# Altium PCB Version_2.PcbDoc (continued)
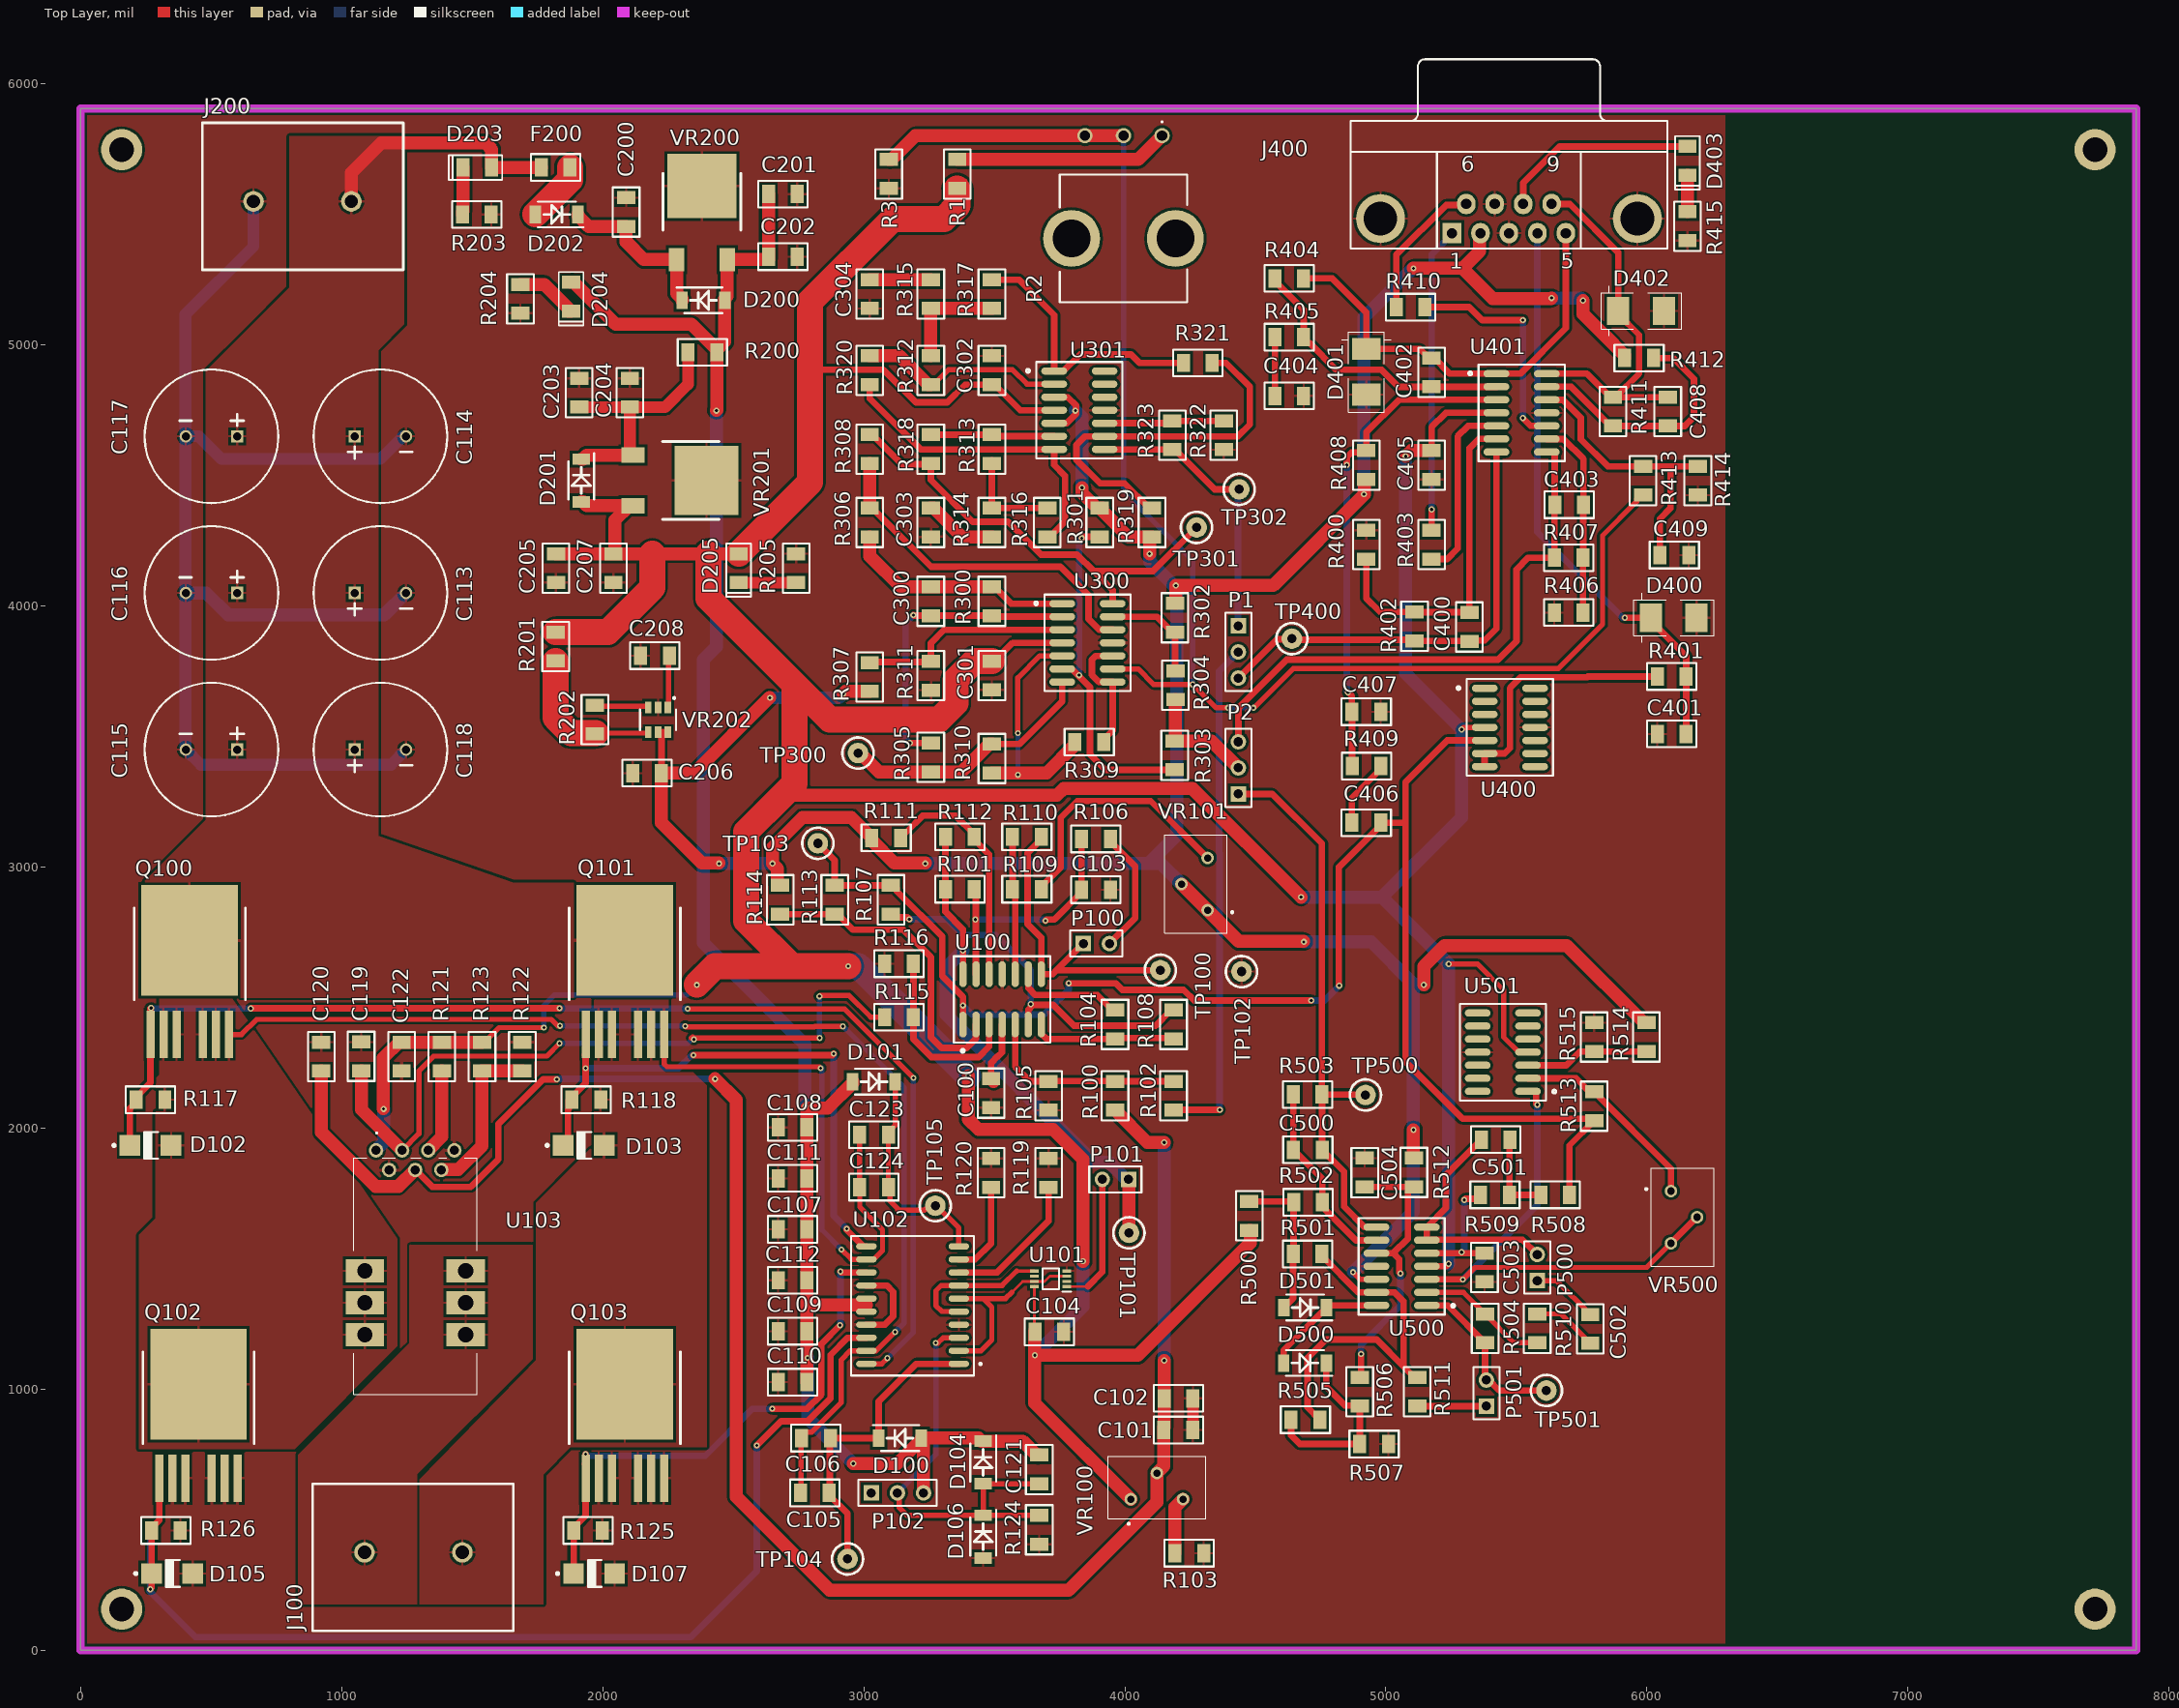
[diagram p0: Top Layer view]
## Footprints (in the part's own frame and the unit in brackets; to place one, negate y for a bottom-side part, rotate by r counter-clockwise, add the part's x,y. Pads: shape width x height; smd on the part's side, far side on the other; paste and mask are expansions set on the pad) (continued)
SMB [mil] "Para diodos como  4007, supresores, etc"
  rect 85x108 smd: 1(0,0) 2(-175,0)
  silkscreen extent -240,-95 68,95, body extent -194,-55 14,55, height 92
SMKDS5-2-9.5 [mm] "Phoenix Contact; Terminal block; 2way; 32A max; 9.52mm pitch; 135°"
  round 2 hole 1.3: 1(-4.76,0) 2(4.76,0)
  silkscreen extent -9.8,-7.65 9.73,6.65, body extent -10.08,-7.5 9.53,11, height 21.5
SODFL4725X105N [mm]
  rect 1.12x1.72 smd: 1(-2.075,0) 2(2.075,0)
  silkscreen extent -2.64,-1.25 1.85,1.25, body extent -2.35,-1.25 2.35,1.25, height 1.05
SOIC14 [mm]
  oval 2.5x0.7 smd: 1(-2.45,4.445) 2(-2.45,3.175) 3(-2.45,1.905) 4(-2.45,0.635) 5(-2.45,-0.635) 6(-2.45,-1.905) 7(-2.45,-3.175) 8(2.45,-3.175) 9(2.45,-1.905) 10(2.45,-0.635) 11(2.45,0.635) 12(2.45,1.905) 13(2.45,3.175) 14(2.45,4.445)
  silkscreen extent -5.16,-4.06 4.19,5.33, body extent -3.12,-3.68 3.07,4.95, height 1.7
SOIC20 [mm]
  oval 2x0.6 smd: 1(-4.5,5.715) 2(-4.5,4.445) 3(-4.5,3.175) 4(-4.5,1.905) 5(-4.5,0.635) 6(-4.5,-0.635) 7(-4.5,-1.905) 8(-4.5,-3.175) 9(-4.5,-4.445) 10(-4.5,-5.715) 11(4.5,-5.715) 12(4.5,-4.445) 13(4.5,-3.175) 14(4.5,-1.905) 15(4.5,-0.635) 16(4.5,0.635) 17(4.5,1.905) 18(4.5,3.175) 19(4.5,4.445) 20(4.5,5.715)
  silkscreen extent -6.68,-6.73 5.97,6.86, body extent -5.31,-6.5 5.31,6.5, height 2.66
SOP50P310X90-8N [mm]
  rect 0.85x0.3 smd: 1(-1.575,0.75) 2(-1.575,0.25) 3(-1.575,-0.25) 4(-1.575,-0.75) 5(1.575,-0.75) 6(1.575,-0.25) 7(1.575,0.25) 8(1.575,0.75)
  silkscreen extent -2,-1 0.8,1.25, body extent -1.55,-1 1.55,1, height 0.77
SOT23-6 [mm]
  rect 1.1x0.65 smd: 1(-1.2,0.95) 2(-1.2,0) 3(-1.2,-0.95) 4(1.2,-0.95) 5(1.2,0) 6(1.2,0.95)
  silkscreen extent -2.19,-1.75 1,1.75, body extent -1.5,-1.5 1.5,1.5, height 1.39
"TestPoint Keystone 5000 Silver-Red" [mm]
  round 2 hole 0.9: 1(0,0)
  silkscreen extent -1.52,-1.52 1.51,1.52, body extent -1.27,-1.27 1.27,1.27, height 4.89
TO252-AA [mil]
  rect 60x89 smd: 1(-97,-282) 3(97,-282)
  rect 265x245 smd: 2(0,0)
  silkscreen extent -149,-169 149,48, body extent -133,-291 133,107, height 156
TO263-7S [mm]
  rect 0.8x4.6 smd: 1(-3.81,-9.15) 2(-2.54,-9.15) 3(-1.27,-9.15) 5(1.27,-9.15) 6(2.54,-9.15) 7(3.81,-9.15)
  rect 9.4x10.8 smd: 4(0,0)
  silkscreen extent -5.41,-5.79 5.41,3.15, body extent -5.03,-10.97 4.97,4.7, height 4.78

## Part data
C113 C114 C115 C116 C117 C118: "Capacitor Polarised"
D100 D101 D104 D106 D200 D201 D202 D500 D501: "Schottky Diode"
D102 D103 D105 D107: library part 1SMA60CAT3G, "400 W Peak Power Zener Transient Voltage Suppressor, 2-Pin SMA, Pb-Free, Tape and Reel"
D203 D204 D205 D403: "Typical RED GaAs LED"
D400 D401 D402: "SZ1SMB5915BT3G"
J100 J200 P100 P101 P500 P501: "Header, 2-Pin"
P1 P2 P102: "Header, 3-Pin"
Q100 Q101 Q102 Q103: "HEXFET N-Channel Power MOSFET"
R1 R3 R100 R101 R102 R103 R104 R105 R106 R107 R108 R109 R110 R111 R112 R113 R114 R115 R116 R117 R118 R119 R120 R121 R122 R123 R124 R125 R126 R200 R201 R202 R203 R204 R205 R300 R301 R302 R303 R304 R305 R306 R307 R308 R309 R310 R311 R312 R313 R314 R315 R316 R317 R318 R319 R320 R321 R322 R323 R400 R401 R402 R403 R404 R405 R406 R407 R408 R409 R410 R411 R412 R413 R414 R415 R500 R501 R502 R503 R504 R505 R506 R507 R508 R509 R510 R511 R512 R513 R514 R515: library part R1206, "Resistor Chip; 1/8W;"
R2: "Vertical - 5 pines"
TP100 TP101 TP102 TP103 TP104 TP105 TP300 TP301 TP302 TP400 TP500 TP501: library part Testpoint
U101: "Schmitt-Trigger Inverter"
U102: "INTERSIL, 80V, 2.5A peak, High Frequency Full Bridge FET Driver"
U103: "Integrated Circuit"
VR100 VR101 VR500: library part Trimmer, "Res Cermet Trimmer 500K Ohm 10% 0.5W 25(Elec)Turn 2.19mm (9.53 X 4.83 X 11.55mm) Pin Thru-Hole Tube"
VR200 VR201: library part "Volt Reg", "Voltage Regulator"
VR202: library part MAX6070, "MAX6071AAUT25+T"

## Free pads (board coordinates)
  round 157.48 hole 94.49: 0(157.48,157.48) 0(157.48,5748.03) 0(7716.54,157.48) 0(7716.54,5748.03)

## Via types
v1: diameter 23.62, hole 11.81, Top Layer to Bottom Layer, tented both sides, 51 vias
v2: diameter 23, hole 11.8, Top Layer to Bottom Layer, 44 vias

## Nets (pads, with @x,y where several pads share a name; then routed paths per layer and width w, separated by ;. In a path a pad name is that pad's centre, name@x,y a point inside that pad or via, vN(x,y) a via of type N, cw(c..) or ccw(c..) an arc to the next point about the centre after c; other vN are vias at no path point)
+2.5V: C206.2 J400.2 R111.2 R114.1 R301.2 R302.2 R307.1 R319.2 R408.2 R412.1 R512.2 R514.1 U301.3 U301.5 U500.12 VR101.1 VR101.2 VR202.5 VR202.6 | length 12568.6
  Top Layer w20: v1(4874.08,1448.28) 4874.08,1447.3 4900,1421.38 4963.48,1421.38 U500.12
  Top Layer w25: C206.2 2225.12,3511.17 2230.7,3516.76 ; U301.5 3730.03,4700.49 3777.49,4700.49 3813,4736 3813,4769 3782.49,4799.51 3730.03,4799.51 U301.3
  Top Layer w50: v1@2445,3015 2380,3015 2225.12,3169.88 C206.2 2350,3360 v1@2640,3650 ; R114.1 2670,2929.98 2670,2994.16 v1(2650.71,3013.44) 2650.71,3075.71 2765,3190 2952.88,3190 3020.88,3122 3030.88,3122 R111.2 3030.88,3102 3117.88,3015 v1@3235,3015 ; v1(2920.71,3663.44) 2930.15,3672.88 R307.1 ; v1(3835.71,4453.44) 3835.71,4433.41 3894,4375.12 R301.2 3914,4375.12 3914,4365.12 4014.24,4264.88 R319.2@4095,4264.88 ; v1(4095,4200) R319.2@4095,4264.88 ; R319.2 R319.2@4095,4264.88 ; R302.2 4195.71,4010.12 v1(4195.71,4078.44) 4568.44,4078.44 4916.91,4426.91 4916.91,4484.88 R408.2 ; VR101.2 VR101.1 4437,2715 v1@4685,2715 ; R512.2@5105.71,1885.45 v1(5105.71,1993.44) ; v1(5105.71,5293.44) 5293.44,5293.44 ; v1(5145.13,2549.03) 5145.13,2620.13 5225,2700 5692.12,2700 5988,2404.12 R514.1 ; J400.2 5358.37,5424.2 5358.37,5358.37 5293.44,5293.44 ; v1(5635,5180) 5633.44,5178.44 5408.44,5178.44 5293.44,5293.44 ; v1(5755,5170) 5755,5119 5834.5,5039.5 5835.38,5039.5 5914.88,4960 R412.1
  Bottom Layer w50: v1(2445.71,3013.44) v1@2648.44,3013.44 ; v1(2640.71,3648.44) 2903.44,3648.44 v1@2920,3665 ; v1(3235.71,3013.44) 4090,3013.44 ; v1@3810,4750 3835.71,4724.29 v1(3835.71,4453.44) ; v1(4095,4200) 4095,4170.71 4200,4065.71 4200,3123.44 4090,3013.44 ; VR101.2 4138.56,3013.44 4090,3013.44 ; v1(4685.71,2713.44) 4943.44,2713.44 5105.71,2551.17 ; v1@4875,1450 5105.71,1680.71 v1(5105.71,1993.44) 5105.71,2551.17 ; v1(4915.71,4428.44) 4915.71,5105.71 v1@5105,5295 ; v1@5145,2550 5143.83,2551.17 5105.71,2551.17 ; v1(5635,5180) 5745,5180 v1(5755,5170)
  other v1: 3810.71,4748.44
+2.6V: C101.2 C102.2 C120.1 R100.2 U103.4 VR100.2 | length 7295.3
  Top Layer w25: U103.4 1347,1775 1495,1775 1600,1880 1600,2015 1771.89,2186.89 v1(1824.16,2186.89)
  Top Layer w50: C120.1 922,1985 1129.56,1777.44 1218.06,1777.44 1280.62,1840 U103.4 ; v1@2430,2190 2512.5,2107.5 2512.5,587.5 2870,230 3785,230 4122.94,567.94 VR100.2 4149.88,705.9 C101.2 4149.88,854 4150.88,855 C102.2 v2(4150.88,1110.12) ; R100.2 4086.55,1945 v2(4151,1945)
  Bottom Layer w25: v1@1823.44,2188.44 v1(2430.71,2188.44)
  Bottom Layer w50: v2(4150.88,1110.12) 4150.88,1944.88 v2(4151,1945)
+5: D205.1
+5V: C100.1 C104.2 C122.2 C205.2 C207.2 C301.2 C302.2 C405.1 D201.2 R1.2 R121.2 R123.1 R201.2 R500.2 U100.4 U101.8 U103.1 U300.4 U301.4 U400.4 U401.4 U500.4 U501.4 VR100.1 VR201.3 | length 21553.4
  Top Layer w12: C104.2@3653.99,1221.89 U101.8
  Top Layer w20: R123.1 1548,2329.13 1603.87,2385 v1(1775,2385) ; v1(5240.71,2628.44) 5351.56,2628.44 5451.29,2528.71 5451.29,2348.74 5509.02,2291 U501.4 ; v1(5289.88,3526.87) 5290.86,3526.87 5298.99,3535 U400.4
  Top Layer w25: 2795,4905 3075,4905 3200,4780 3320,4780 3387.88,4847.88 C302.2 3501,4847.88 3598.88,4750 U301.4 ; C100.1 3488,2250 3513.22,2275.22 3515,2275.22 3529.65,2289.86 3529.65,2396.37 U100.4 ; C301.2 3501,3789.12 3570.88,3859 U300.4 ; U500.4 5230.86,1470.86 v1(5240,1480) ; C405.1 5175,4685 5230,4740 U401.4
  Top Layer w50: v1@1160,2075 1160,2269.13 1220,2329.13 C122.2 R121.2 R123.1 ; C205.2 C207.2 C207.2@2047,4200.12 ; D201.2 1923.91,4399.31 1939.21,4384 VR201.3@2101.5,4384 ; VR201.3 VR201.3@2101.5,4384 ; 2521,4200.12 2405,4200.12 2190,4200.12 C207.2@2047,4200.12 ; 2690,3275 3740,3275 3765.5,3300.5 4259.5,3300.5 v2(4675,2885) ; v2(3400,2200) 3400,2035 3440,1995 3725,1995 3840,1880 v2(3840,1490) ; C100.1 3498,2189.12 C100.1@3498,2179.12 ; C104.2@3653.99,1221.89 3655,1220.88 v2(3655,1130) ; VR100.1 3655,946.89 v2(3655,1130) ; R500.2 4480,1608.87 4480,1560 4050,1130 v2(3655,1130) ; v1(5075.71,4573.44) 5097.39,4595.12 C405.1 ; C207.2@2047,4200.12 2047,4329.5 VR201.3@2101.5,4384
  Top Layer w100: R201.2 2020.12,3900.12 2190,4070 2190,4200.12 ; v1@2360,2550 2430,2620 2725,2620 ; 2405,4200.12 2405,4030 2735,3700 ; 2521,4200.12 2795,4474.12 2795,4905 2795,5166.97 3110.53,5482.5 3307.5,5482.5 3360,5535 3360,5597.88 R1.2 ; v2(2940,2620) 2725,2620 ; C301.2 3424.12,3789.12 3352,3717 3352,3628.03 3288.97,3565 2870,3565 2735,3700 ; 2725,2620 2550,2795 2550,3135 2690,3275 2735,3320 2735,3700
  Bottom Layer w20: v1(1775,2385) 1775,2470 1815,2510 2322.27,2510 v1(2360.71,2548.44)
  Bottom Layer w50: U103.1 1132,1916.39 1160.71,1945.1 v1(1160.71,2073.44) ; v2(3655,1130) 3840,1315 v2(3840,1490) ; v2(4675,2885) 4985,2885 ; v1@5075,4575 5075,3741.74 v1(5289.88,3526.87) ; v1(5240,1480) 5240,2630 4985,2885 ; v1@5290,3530 5290,3190 4985,2885
  Bottom Layer w100: v2(2940,2620) 2980,2620 v2(3400,2200)
+12V: C107.2 C108.2 C109.2 C110.2 C111.2 C112.2 C121.2 C201.2 C202.2 D100.2 D101.2 D104.1 D200.2 D204.1 P102.3 R200.2 U102.15 U102.16 VR200.3 | length 7475.9
  Top Layer w50: D204.1 1889,5239.62 2049.62,5079 2340.12,5079 R200.2@2437.12,4982 ; v1@2435,4750 2437.12,4752.12 R200.2 R200.2@2437.12,4982 ; C201.2 C202.2 2634.88,5328 2633.88,5327 VR200.3 2477,5186.21 2467.69,5176.91 D200.2 2467.69,5012.57 R200.2@2437.12,4982 ; C110.2 C109.2 2782.54,1319.82 ; D101.2 2957.41,2172.09 2861.94,2076.62 2782.54,2076.62 C108.2 C111.2 C107.2 C112.2 2782.54,1319.82 ; v1(2960,715) 3128.82,715 D100.2@3217.74,803.92 ; 3010.07,1322.21 2784.93,1322.21 2782.54,1319.82 ; P102.3 3229,798.57 3220.69,806.87 D100.2 3440.07,812.78 3451.55,801.3 D104.1 3608.88,801.3 3662.45,747.72 C121.2
  Bottom Layer w50: v1(2435.71,4748.44) 2435.71,3844.58 2385,3793.86 2385,2710 2775,2320 v1@2775,2085 ; v1(2785,1120) 2785,890 v1(2960,715)
  other v1: 2775.71,2083.44
+24V: C113.1 C114.1 C115.1 C116.1 C117.1 C118.1 D203.1 F200.1 J200.1 Q100.4 Q101.4 | length 963.8
  Top Layer w50: J200.1 1037.4,5659.6 1151.8,5774 1550,5774 1575.12,5748.88 D203.1 F200.1
AHB: C123.2 C124.2 D101.1 TP105.1 U102.10 | length 876
  Top Layer w20: D101.1@3113.73,2185.07 D101.1 3120.8,2011.29 3094.22,1984.72 C123.2 C124.2 3094.22,1763.98 3101.24,1756.97 3101.24,1720.7 3130,1691.94 3130,1686 3232.91,1686 3238.67,1691.76 TP105.1@3251.76,1691.76 ; TP105.1@3271,1711 3364.4,1617.6 U102.10
  Bottom Layer w20: TP105.1@3251.76,1691.76 TP105.1@3267,1707
AHO: D103.1 Q101.1 R118.1 U102.11 | length 2238.1
  Top Layer w25: D103.1 1867,1952.73 1867,2071.86 1869.4,2074.25 1869.4,2106.5 1935,2172.1 Q101.1@1935,2287 ; Q101.1@1931.75,2280.95 1935,2284.2 1935,2315.25 Q101.1 ; v2(2348,2280) 2880,2280 v2(2885,2285) ; v2(2935,1615) 2935,1610 2997.79,1547.21 U102.11
  Bottom Layer w25: v2(1935,2229.55) 2290.79,2229.55 2341.24,2280 v2(2348,2280) ; v2(2885,2285) 2885,1665 v2(2935,1615)
AHS: C123.1 C124.1 D103.2 J100.2 Q101.2 Q101.3 Q101.5 Q101.6 Q101.7 Q103.4 R118.2 U102.12 | length 2117.3
  Top Layer w20: Q101.7 2235,2246.72 2246.72,2235 2830,2235 v2(2835,2230) ; v2(2915,1535) 2952.79,1497.21 U102.12 3038.61,1497.21 3072,1530.61 3072,1611 2985,1698 2985,1772.97 C124.1 C123.1
  Bottom Layer w20: v2(2835,2230) 2840,2230 2840,1610 v2(2915,1535)
AHS2: J100.1 U103.8 U103.9 U103.10
ALO: D107.1 Q103.1 R125.1 U102.13 | length 2108.3
  Top Layer w25: D107.1 1888.9,294.63 R125.1 1888.9,469 1935,515.1 Q103.1 1935,709.75 1931.75,713 1935,716.25 v2(1935,751) ; v2(2650,925) 2783,925 2838,980 2838,1174 v2(2909,1245) ; v2(2911,1451) 2914.79,1447.21 U102.13
  Bottom Layer w25: 1935,718 1935,745 2393,745 2573,925 v2(2650,925) ; v2(2909,1245) 2911,1247 v2(2911,1451)
BHB: C105.2 C106.2 D100.1 TP104.1 U102.1 | length 1185.8
  Top Layer w25: TP104.1 2938,523.12 2868.12,593 C105.2 2870.09,604.97 2870.09,810.81 C106.2 D100.1 3057.31,953.31 3201.21,1097.21 U102.1
BHI/ALI: U101.3 U101.7 U102.2 U102.6 | length 764.6
  Top Layer w10: 3568,1372 3609.16,1413.16 ; 3609.16,1412.67 3692.67,1412.67 3712.84,1432.84 U101.3
  Top Layer w20: U102.2 3449.06,1147.21 3490.45,1188.61 3490.45,1314.61 3457.85,1347.21 ; U102.6 3457.85,1347.21 ; 3568,1372 3543.21,1347.21 3457.85,1347.21
BHO: D102.1 Q100.1 R117.2 U102.20 | length 4796.7
  Top Layer w20: v2(2326,2457) 2925.99,2457 v2@3190.51,2192.48 ; U102.20 3069.21,1097.21 v2(3091,1119)
  Top Layer w25: D102.1 189.26,2075.38 212.88,2099 R117.2 212.88,2119 268,2174.12 Q100.1 268,2458 v2(270,2460) ; v2(652,2458) 653,2459 v2(1835,2459)
  Bottom Layer w20: v2(3091,1119) 3190,1218 v2(3190.01,2191.99)
  Bottom Layer w25: v2@268,2458 v2(652,2458) ; v2(1835,2459) 1836,2458 2325,2458 v2(2326,2457)
BHS: C105.1 C106.1 D102.2 Q100.2 Q100.3 Q100.5 Q100.6 Q100.7 Q102.4 R117.1 U102.19 U103.11 U103.12 U103.13 | length 4512.8
  Top Layer w20: Q100.7 616.6,2359 674.41,2416.81 1803.07,2416.81 1827.88,2392 v2(1836,2392) ; Q100.7@568,2377.25 Q100.7@573.75,2383 ; v2(2316,2391) 2319.58,2387.42 2810,2387.42 2812.58,2390 v2(2920,2390) ; C105.1@2757.88,609 2759.85,610.97 2759.85,810.81 C106.1 2761.82,821.01 2776.82,836.01 2801.01,836.01 2914,949 2914,1112.61 2948.6,1147.21 U102.19 3047.21,1147.21 3119.41,1219.41 v2(3120.59,1219.41)
  Bottom Layer w20: v2(1836,2392) 1836.5,2391.5 2315.5,2391.5 v2(2316,2391) ; v2(2920,2390) 3155,2155 3155,1253.83 v2(3120.59,1219.41)
BLI/AHI: U101.5 U102.5 U102.7 | length 562.6
  Top Layer w12: 3585.53,1452.53 U101.5
  Top Layer w20: U102.5 3363.7,1297.91 3299.15,1297.91 3276.45,1320.61 3276.45,1376.61 3297.06,1397.21 U102.7 3530.21,1397.21 3585.53,1452.53
BLO: D105.1 Q102.1 R126.2 U102.18 | length 4334.8
  Top Layer w25: v2(267,234) 272.26,239.26 D105.1 271.88,294.38 R126.2 271.88,469 302,499.12 Q102.1 ; v2(2590,785) 2682.64,877.64 2785.14,877.64 2873,965.5 2873,1132 2938.21,1197.21 U102.18
  Bottom Layer w25: v2@262.5,229.5 442,50 2337,50 2590,303 v2(2590,785) ; v2(267,234) 267,452
DISABLE: C121.1 D104.2 D106.1 P102.2 R124.2 U102.3 | length 1675.6
  Top Layer w20: P102.2 3136.47,595.53 3136.47,546.53 3166,517 D106.1 ; v2(3276,1177) 3284.12,1177 3303.64,1196.52 3363.7,1196.52 U102.3 ; D104.2 D104.2@3457.45,637.49 ; R124.2 3672.17,516.71 3457.74,516.71 D106.1 ; C121.1 D104.2@3457.45,637.49 ; D106.1 D104.2@3457.45,637.49
  Bottom Layer w20: P102.2 3276,750 v2(3276,1177)
GND: C100.2 C101.1 C102.1 C103.2 C104.1 C107.1 C108.1 C109.1 C110.1 C111.1 C112.1 C113.2 C114.2 C115.2 C116.2 C117.2 C118.2 C119.1 C120.2 C122.1 C200.1 C201.1 C202.1 C203.1 C204.1 C205.1 C206.1 C207.1 C208.1 C301.1 C302.1 C303.2 C304.1 C401.1 C404.2 C405.2 C407.1 C409.2 C503.2 C504.1 D105.2 D106.2 D107.2 D400.1 D401.1 D402.1 J200.2 J400.3 J400.7 J400.10 J400.11 Q102.2 Q102.3 Q102.5 Q102.6 Q102.7 Q103.2 Q103.3 Q103.5 Q103.6 Q103.7 R3.1 R103.1 R105.1 R116.1 R119.2 R120.2 R122.2 R124.1 R125.2 R126.1 R203.1 R204.2 R205.1 R311.1 R322.1 R400.1 R406.1 R414.1 R415.1 R507.1 R515.1 TP102.1 U100.11 U101.4 U102.4 U102.14 U102.17 U103.2 U103.7 U300.11 U301.11 U400.11 U401.11 U500.11 U501.11 VR200.2 VR201.2 VR202.2 | length 5359.4
  Top Layer w25: U102.17 3081.21,1247.21 3113,1279 3113,1373 3088.79,1397.21 U102.14
  Top Layer w45: C101.1 4260.62,844.5 4260.62,964.5 C102.1
  Bottom Layer w45: C115.2@402,3451.15 402,5117 662.6,5377.6 J200.2 ; C115.2 461.15,3392 1188.85,3392 C118.2 ; C117.2 453,4650 540,4563 1148,4563 C114.2@1235,4650
  Bottom Layer w50: C116.2 482,4050 565,3967 1163.85,3967 C113.2
HDEL: R119.1 U102.8 | length 555.3
  Top Layer w25: U102.8 3511.72,1447.21 3708,1643.49 R119.1
LDEL: R120.1 U102.9 | length 364.3
  Top Layer w25: U102.9 3426.59,1497.21 3488,1558.62 R120.1
NetC103_1: C103.1 R101.1 R106.2 U100.13 | length 984.8
  Top Layer w25: R101.1 3429.65,2908.47 3429.65,2590.26 U100.13 ; v2(3696.25,2794.83) 3701.03,2799.61 3730.74,2799.61 3834.33,2903.2 C103.1 R106.2
  Bottom Layer w25: v2(3427.25,2798.83) v2@3696.17,2798.83
NetC200_2: C200.2 D200.1 D202.1 VR200.1 | length 651.7
  Top Layer w50: D202.1 1905.69,5494.09 1945.91,5453.88 C200.2 2090,5395 2158,5327 VR200.1 2283,5198.21 2304.31,5176.91 D200.1
NetC203_2: C203.2 C204.2 D201.1 R200.1 VR201.1 | length 966.8
  Top Layer w45: C203.2 C204.2 ; VR201.1 2111.5,4578 2104,4585.5 C204.2 ; R200.1 2326.88,4849.88 2238.88,4761.88 C204.2
  Top Layer w50: D201.1 1923.91,4562.69 1939.21,4578 VR201.1@2111.5,4578
NetC208_2: C208.2 VR202.1 | length 201.1
  Top Layer w20: VR202.1 2252.2,3614.04 2252.2,3807.08 C208.2
NetC300_2: C300.2 R300.1 R305.2 U300.2 | length 1159.1
  Top Layer w25: v1@3180,3475 3256.88,3475 R305.2 ; v1(3190,3965) 3192.12,3962.88 C300.2 R300.1 3494.39,3959.49 3760.05,3959.49 U300.2
  Bottom Layer w25: v1(3176.44,3475.23) 3160,3491.67 3160,3935 v1(3190,3965)
NetC303_1: C303.1 R314.1 | length 279.7
  Top Layer w50: C303.1 3267,4375.12 3377.24,4264.88 R314.1
NetC304_2: C304.2 R315.1 | length 234
  Top Layer w50: C304.2 R315.1
NetC400_2: C400.2 R400.2 R402.1 U401.6 | length 1315.5
  Top Layer w25: R400.2 4925,4030 4977.88,3977.12 R402.1 5111,3976.12 5319,3976.12 C400.2 5320,4605 5355,4640 U401.6
NetC402_2: C402.2 R404.1 R405.2 U401.2 | length 1093.7
  Top Layer w25: R404.1 4574.88,5245 4685.12,5134.76 R405.2 4685.12,5020 4697.62,5007.5 4707.62,5007.5 4810.12,4905 4983.69,4905 5048.81,4839.88 C402.2 5175.06,4839.94 5423.48,4839.94 U401.2
NetC403_2: C403.2 R406.2 R407.1 U401.9 | length 761.3
  Top Layer w25: U401.9 5616.95,4639.51 5680.49,4639.51 5757.12,4562.88 C403.2 5756.12,4386.99 5756.12,4186 R407.1 R406.2
NetC404_1: C404.1 R405.1 | length 225
  Top Layer w25: C404.1 R405.1
NetC406_2: C406.2 R409.1 | length 263.1
  Top Layer w25: C406.2 4869.88,3265.76 4981.12,3377 R409.1
NetC407_2: C407.2 R408.1 R409.2 U401.3 | length 1897.3
  Top Layer w25: v1(4850,4540) 4850,4570 4868.54,4588.54 4918.42,4588.54 R408.1 4925,4665 5050,4790 U401.3 ; v1(4855,3670) 4869.88,3655.12 C407.2 4870.38,3594.5 4870.38,3387.5 R409.2
  Bottom Layer w25: v1(4850,4540) 4850,3675 v1(4855,3670)
NetC408_2: C408.2 R411.1 R412.2 U401.13 | length 973.3
  Top Layer w25: U401.13 5709.88,4840 5860,4689.88 R411.1 C408.2 6144.88,4689.88 6180,4725 6180,4870 6100,4950 R412.2
NetC409_1: C409.1 R413.2 R414.2 U401.12 | length 1089.5
  Top Layer w25: U401.12 5616.95,4789.51 5678.55,4789.51 5746.53,4721.53 5746.53,4638.47 5849.88,4535.12 R413.2 6090,4535.12 ; C409.1 6049.88,4334.88 6090,4375 6090,4535.12 ; R414.2 6090,4535.12
NetC500_2: C500.2 R502.2 R503.2 U500.9 | length 737.8
  Top Layer w25: R503.2 4645.88,2128 C500.2 4757,1805.88 R502.2 4757,1698 4885,1570 4963.14,1570 U500.9
NetC501_1: C501.1 P500.2 U500.6 U500.7 | length 916.5
  Top Layer w25: C501.1 5230,1820.12 5230,1693.94 U500.7 5156.91,1572.5 5523.5,1572.5 P500.2
NetC501_2: C501.2 R508.2 R509.1 | length 332.6
  Top Layer w25: C501.2 5473.12,1953 R509.1 R508.2
NetC502_1: C502.1 P500.1 | length 256.8
  Top Layer w20: P500.1 5653.12,1416 C502.1
NetC502_2: C502.2 R510.1 | length 249.6
  Top Layer w20: R510.1 5670.44,1288.44 C502.2
NetC503_1: C503.1 R509.2 U500.5 | length 500.8
  Top Layer w25: U500.5 5285.86,1520.86 v1(5290,1525) 5293.88,1521.12 C503.1 ; v2(5300,1725) 5304.78,1729.78 5350.38,1729.78 5362.88,1742.28 R509.2
  Bottom Layer w25: v1(5290,1525) 5300,1535 v2(5300,1725)
NetC504_2: C504.2 R506.2 R512.1 U500.10 | length 1087.9
  Top Layer w25: R506.2 4905,1050.12 v2(4905,1135) ; C504.2 4919.17,1775.05 5085.2,1775.05 R512.1@5097.54,1775.05 ; U500.10 4964.49,1521.35 5028.35,1521.35 ; v2(5056,1443) 5051.22,1447.78 5051.22,1498.48 5028.35,1521.35 ; R512.1 5107.21,1775.05 R512.1@5097.54,1775.05 ; 5028.35,1521.35 5084.88,1577.88 5084.88,1762.71 5097.21,1775.05 R512.1@5097.54,1775.05
  Bottom Layer w25: v2(4905,1135) 4905,1170 5056,1321 v2(5056,1443)
NetD202_2: D202.2 F200.2 | length 235
  Top Layer w100: D202.2 1875.12,5632.81 F200.2
NetD203_2: D203.2 R203.2 | length 180.8
  Top Layer w50: R203.2 1462.88,5510 1464.88,5512 D203.2
NetD204_2: D204.2 R204.1 | length 242.4
  Top Layer w50: R204.1 1776.26,5232.12 1869,5139.38 1869,5129.38 D204.2
NetD205_2: D205.2 R205.2 | length 220
  Top Layer w45: D205.2 R205.2
NetD403_2: D403.2 R415.2 | length 139.8
  Top Layer w50: R415.2 D403.2
NetD500_1: D500.1 R505.2 R506.1 R507.2 | length 731.9
  Top Layer w25: R505.2 4636.88,823.12 4670,790 R507.2 4899.88,790.12 4899.88,934.76 R506.1 4897.03,937.86 4842.14,937.86 4771.69,1008.31 D500.1
NetD500_2: D500.2 D501.1 U500.14 | length 475.6
  Top Layer w25: D500.2 4608.31,1148.61 D501.1 4780.55,1320.86 U500.14
NetP501_1: P501.1 R511.1 | length 265
  Top Layer w25: R511.1 5120.12,935 P501.1
NetR1_1: R1.1 R2.1 | length 822.6
  Top Layer w50: R1.1 4051.06,5710.12 R2.1
NetR100_1: R100.1 R102.2 R105.2 U100.5 | length 803
  Top Layer w25: U100.5 3580.14,2235.86 3636.88,2179.12 R105.2 ; R105.2@3706,2170.12 R105.2@3708,2168.12 ; R105.2@3708,2181.12 3709,2180.12 3961.67,2180.12 R100.1 R102.2 R102.2@4195,2179.12
NetR103_2: R103.2 VR100.3 | length 219.8
  Top Layer w50: R103.2 4191.88,547.9 VR100.3
NetR104_2: R104.2 U100.9 | length 420.5
  Top Layer w25: U100.9 3630.63,2589.28 3630.63,2536.37 3657,2510 3894.78,2510 3952.67,2452.12 R104.2
NetR107_2: R107.2 R108.1 U100.6 | length 1434.1
  Top Layer w25: R107.2 3116.5,2807.24 3167.76,2807.24 v1(3175,2800) ; U100.6 3630.63,2396.37 3630.63,2453.63 3649,2472 3726,2472 3805,2393 4117.88,2393 4177,2452.12 R108.1
  Bottom Layer w25: v1(3175,2800) 3320,2800 3380,2740 3505,2740 3640,2605 v1(3640,2475)
NetR109_1: R109.1 R110.1 U100.10 | length 530.5
  Top Layer w25: R110.1 R109.1 3580.14,2904.74 U100.10
NetR109_2: R109.2 VR101.3 | length 984.4
  Top Layer w25: R109.2 3680.12,2925 3755,2999.88 3755,3190 3818,3253 4099,3253 VR101.3
NetR111_1: R111.1 R112.1 U100.12 | length 915.2
  Top Layer w25: R111.1@3139.12,3110 3139.12,3120 3153.62,3134.5 3163.62,3134.5 3226.12,3197 3352.12,3197 3423.12,3126 R112.1 3423.12,3106 3480.14,3048.98 U100.12
NetR113_1: R113.1 R114.2 U100.2 | length 1210.6
  Top Layer w25: R114.2 R113.1 2899,2819.74 2958.74,2760 3151.94,2760 3257,2654.94 3257,2348 3297.5,2307.5 3394.5,2307.5 3429.65,2342.64 3429.65,2396.37 U100.2
NetR115_2: R115.2 R116.2 U100.3 | length 708.6
  Top Layer w25: R116.2 R115.2 3190.12,2340.88 3258.5,2272.5 3440.5,2272.5 3480.14,2312.14 U100.3
NetR121_1: R121.1 U103.5 | length 325.4
  Top Layer w50: U103.5 1384,1967 R121.1
NetR201_1: R201.1 R202.2 VR202.4 | length 598.6
  Top Layer w20: R202.2@1973.44,3513.32 2171.8,3513.32 2174.6,3516.11 VR202.4
  Top Layer w100: R201.1 1820,3571.9 1878.58,3513.32 R202.2@1973.44,3513.32
NetR202_1: R202.1 VR202.3 | length 209.2
  Top Layer w20: R202.1@1974.44,3615.68 2171.8,3615.68 2174.6,3612.89 VR202.3
  Top Layer w25: R202.1 R202.1@1974.44,3615.68
NetR301_1: R301.1 R303.2 U300.6 | length 1341.3
  Top Layer w25: U300.6 3796.67,3759 3810.39,3745.28 3811,3745.28 3867,3689.28 3867,3432 3926.12,3372.88 R303.2 ; v1(3835,4260) 3839.88,4264.88 R301.1
  Bottom Layer w25: v1(3825,3735) 3825,4250 v1(3835,4260)
NetR302_1: R302.1 R304.2 U300.13 | length 411.6
  Top Layer w25: U300.13 4122.88,3959 4182,3899.88 R302.1 4193,3898.88 4193,3753.12 R304.2
NetR306_2: R306.2 R308.1 U300.12 | length 1348.2
  Top Layer w25: R306.2 3033,4375.12 3258.12,4150 3753,4150 3861,4042 3861,3950 3901.51,3909.49 3952.97,3909.49 U300.12
  Top Layer w50: R306.2 R308.1
NetR307_2: R307.2 R311.2 U300.3 | length 830.6
  Top Layer w25: R307.2 3025.5,3785.62 3254.5,3785.62 R311.2 3257,3858 3308,3909 U300.3
NetR309_1: R309.1 U300.8 U300.10 | length 478.7
  Top Layer w25: R309.1 3919.12,3489 3953.46,3523.34 U300.8 3952.97,3709.49 3900.51,3709.49 3874,3736 3874,3794.36 3888.64,3809 U300.10
NetR309_2: R309.2 R310.1 U300.5 | length 948
  Top Layer w20: v1@3590,3515 3590,3725 3674,3809 U300.5
  Top Layer w50: R310.1 3700.76,3360.88 3808.88,3469 R309.2
  Bottom Layer w20: v1(3590.71,3353.44) v1(3590.71,3513.44)
NetR312_1: R312.1 R320.2 U301.2 | length 798.6
  Top Layer w20: R312.1 3267,4847.88 3324.12,4905 3570,4905 3625,4850 U301.2
  Top Layer w50: R320.2 3136.76,4958.12 3247,4847.88 R312.1
NetR312_2: R312.2 R315.2 R317.2 | length 415.8
  Top Layer w50: R312.2 R315.2 R317.2
NetR313_1: R313.1 R318.2 U301.6 | length 475.1
  Top Layer w25: R318.2 R313.1 3496.63,4650.49 3729.05,4650.49 U301.6
NetR313_2: R313.2 R314.2 R316.2 | length 394.8
  Top Layer w25: R313.2@3491,4557.88 R314.2 R316.2
NetR316_1: R316.1 R320.1 U301.7 | length 1226.5
  Top Layer w25: R320.1 3023,4795 3218,4600 U301.7 3729.54,4540.46 3771,4499 3771,4322.88 3713,4264.88 R316.1
NetR317_1: R317.1 R321.1 U301.1 | length 1044.7
  Top Layer w25: R317.1 3593.88,5250.12 3729.54,5114.46 U301.1 3764.98,4900 3828.98,4964 4023.69,4964 4056.69,4931 R321.1
NetR319_1: R319.1 R321.2 U301.9 | length 1453.6
  Top Layer w25: R319.1 4094,4375.12 3999.12,4470 3904.94,4470 3815,4559.94 3815,4617 3848,4650 U301.9 4433,4650 4479,4696 4479,4840 4388,4931 R321.2 R321.2@4329,4924.88
NetR322_2: R322.2 R323.1 U301.10 | length 461
  Top Layer w25: U301.10 3922.95,4700.49 4174.37,4700.49 4182,4708.12 R323.1@4182.5,4707.62 ; R323.1 4378,4709.12 4378.5,4709.62 R322.2
NetR401_1: R401.1 U400.6 U400.7 | length 968.3
  Top Layer w25: U400.7 U400.6 5455,3435 5475,3455 5475,3685 5517.5,3727.5 5771.19,3727.5 5773.69,3730 R401.1
NetR403_2: R403.2 U401.5 | length 711.7
  Top Layer w25: R403.2 5234.88,4179.88 5275,4220 5275,4650 5315,4690 U401.5
NetR410_2: R410.2 U401.10 | length 874.5
  Top Layer w25: R410.2 5318.81,5145 5368.81,5095 v1(5525,5095) ; v1(5525,4720) 5554.51,4690.49 5615.97,4690.49 U401.10
  Bottom Layer w25: v1(5525,4720) v1(5525,5095)
NetR501_1: R501.1 R505.1 R511.2 U500.13 | length 1407.3
  Top Layer w25: R505.1 4700,930.12 4700,1120 4770,1190 4965.12,1190 5067.5,1087.62 ; R501.1 4755.12,1509.88 4894.14,1370.86 U500.13 5034.14,1370.86 5067.5,1337.5 5067.5,1097.62 5067.5,1087.62 ; R511.2 5110,1045.12 5067.5,1087.62
NetR504_1: R504.1 R510.2 U500.2 | length 502.9
  Top Layer w20: U500.2 5297.58,1370.86 R504.1 5490.24,1178.2 R510.2
NetR513_2: R513.2 U501.2 VR500.1 | length 777
  Top Layer w25: U501.2 5729,2191 5780.76,2139.24 R513.2 6092,1845.24 VR500.1
NetR514_2: R514.2 R515.2 U501.3 | length 475.4
  Top Layer w25: U501.3 5691,2241 5743.88,2293.88 R515.2 R514.2
PRESENCIA_PLACA: D403.1 J400.8 | length 767.6
  Top Layer w25: J400.8 5525.94,5620.94 5665.12,5760.12 D403.1
STANDBY: R122.1 R123.2 U103.6 | length 634.7
  Top Layer w50: U103.6 1382.98,1840.98 1446.45,1840.98 1538,1932.53 R123.2 R122.1
V_HALL: C119.2 R115.1 U103.3 | length 2765.3
  Top Layer w20: U103.3 1296,1979 1296,2219.18 1352.82,2276 1786,2276 v2(1835,2325) ; v2(2350,2340) v2@2350,2345 ; v2(2830,2505) 2834,2509 2943,2509 3027,2425 R115.1 R115.1@3079.88,2435 ; v2(2831.22,2345) v2@2350,2345 ; v2@2350,2345 2340,2345 2345,2350 v2@2350,2345
  Top Layer w50: C119.2@1076,2218.9 1076,2071 U103.3
  Bottom Layer w20: v2(1835,2325) 2326.88,2325 2340.5,2338.62 v2@2340.5,2343.5 ; v2(2830,2505) 2830,2346.22 v2(2831.22,2345)
V_HIST: P100.1 R110.2 TP100.1 U100.8 | length 1175.8
  Top Layer w25: R110.2 3680.12,3106 3628,3053.88 3628,2782 3680.14,2729.86 U100.8 3723.77,2589.77 3739,2605 ; P100.1 3739,2605 ; TP100.1 3739,2605
V_I*R: U500.3 U501.1 VR500.2 VR500.3 | length 2005.4
  Top Layer w20: v2(5295,1420) 5341.47,1466.47 5999.47,1466.47 VR500.3
  Top Layer w25: U500.3 5157.4,1421.35 v2@5295,1421.35 ; U501.1 5545.64,2139.82 5575.22,2139.82 5575.22,2094.78 v2(5580,2090) ; VR500.3 VR500.2
  Bottom Layer w25: v2(5295,1420) 5580,1705 v2(5580,2090)
VCOMP_A: P1.1 R323.2 TP302.1 U301.8 | length 1096.5
  Top Layer w25: U301.8 3922.95,4599.51 4181.37,4599.51 R323.2 4192,4598.88 4343.88,4447 TP302.1 ; P1.1@4433.5,3925.5 P1.1
  Bottom Layer w25: P1.1@4433.5,3925.5 TP302.1@4433.5,4441
VCOMP_D: C400.1 P1.3 R402.2 TP400.1 U401.7 | length 1751.9
  Top Layer w25: P1.3 4583.64,3872.64 4637.64,3872.64 TP400.1 4644.06,3870.94 5105.94,3870.94 R402.2 5111,3865.88 5319,3865.88 C400.1 5322.97,3867.86 5377.86,3867.86 5423.54,3913.54 U401.7
VCOMP_DAC: J400.1 R403.1 | length 1170.5
  Top Layer w25: R403.1 v2(5175,4370)
  Bottom Layer w25: v2(5175,4370) 5175,5345.94 5253.31,5424.25 J400.1
VDER: P501.2 R504.2 TP501.1 U500.1 | length 674
  Top Layer w25: U500.1 5237.35,1320.86 R504.2 5380,1040 P501.2 5394.22,1035 5434.22,995 TP501.1
VERROR1: R305.1 R310.2 TP300.1 U300.7 | length 998
  Top Layer w25: R310.2 3596.12,3471.12 3760.54,3635.54 U300.7
  Top Layer w50: TP300.1 2985.78,3437 3057.9,3364.88 R305.1 3374.76,3364.88 3481,3471.12 R310.2
VERROR2: R308.2 R318.1 TP301.1 U300.14 | length 1734.3
  Top Layer w25: R308.2 3033,4656.12 3146.12,4543 3254.12,4543 R318.1 3257,4483 3417,4323 3553,4323 3679,4197 3817,4197 3881,4133 ; 3905,4113 3903,4111 ; U300.14 3953.46,4060.54 3903,4111 ; TP301.1 4108,4134 3882,4134 3881,4133 ; 3881,4133 3903,4111
"VI_ ERROR": R104.1 R108.2 U100.7 | length 552.9
  Top Layer w25: U100.7 3680.14,2362.12 3700.37,2341.88 R104.1 3966.17,2345.38 4183.5,2345.38 R108.2@4187,2348.88
VI_FEED: C406.1 R107.1 R113.2 R508.1 R513.1 TP103.1 U100.1 U400.5 | length 5994.3
  Top Layer w25: TP103.1 2889,3026 R113.2 3114,2929.98 3126.5,2917.48 3126.5,2907.48 3301,2732.98 3301,2582.17 3380.14,2503.03 3380.14,2470.14 v1(3380,2470) 3380.14,2469.86 U100.1 ; v1(3785,2555) 3965,2555 3990,2530 4225,2530 4265.96,2489.04 v1(4714.04,2489.04) ; v1@4820,2545 4820,2999.88 4980.12,3160 C406.1 5075,3170 ; U400.5 5235,3485 5075,3325 5075,3170 ; R508.1 5703.24,1934.24 R513.1 5790.59,2036.41 5293.59,2036.41 5075,2255 5075,3170
  Bottom Layer w25: v1(3380,2470) 3415,2435 3690,2435 3785,2530 v1(3785,2555) ; v1(4714.04,2489.04) 4765,2489.04 v1(4821.79,2545.83)
VI_FEED_ADC: C402.1 D401.2 J400.5 R404.2 U401.1 | length 1673.6
  Top Layer w25: R404.2 4795,5255 4925,5125 D401.2 5130.12,4985 5165,4950.12 C402.1 5185,4950.12 5245.12,4890 U401.1 5515,4890 5689.53,5064.53 J400.5
VI_FEED_VALOR_MEDIO_ADC: C401.2 D400.2 J400.4 R401.2 | length 2216.7
  Top Layer w25: v2(5915,3955) D400.2 6015,3943.5 6150.12,3808.38 R401.2 C401.2
  Bottom Layer w25: J400.4 5580.47,4282.76 5908.24,3955 v2(5915,3955)
VI_REF: P1.2 R102.1 | length 1971
  Top Layer w25: R102.1 R102.1@4197,2068.88 ; R102.1@4190.88,2065 4195.88,2070 v2(4364,2070)
  Bottom Layer w25: v2(4364,2070) 4363.46,2070.54 4363.46,3054.24 4361.15,3056.55 4361.15,3750.15 P1.2
VIN_OSC_HF: P100.2 R106.1 | length 481.5
  Top Layer w25: P100.2 4040,2806 4040,3002.57 3944.57,3098 R106.1
VINTEGRADOR: C300.1 R300.2 R306.1 U300.1 | length 886.8
  Top Layer w25: R300.2 3501,4073.12 3565.12,4009 U300.1
  Top Layer w50: R306.1 3023,4191 3140.88,4073.12 C300.1 R300.2
VOUT_OSC_HF: P101.1 R101.2 R112.2 TP101.1 U100.14 | length 1992.2
  Top Layer w25: R112.2 R101.2 3312.88,2829.12 3380.14,2761.86 U100.14
  Top Layer w50: P101.1 4015,1803 4015,1600 TP101.1
  Bottom Layer w50: v1(3380,2680) 3315,2615 3315,2435 3881.47,1868.53 3940.73,1868.53 4000.73,1808.53 4009.47,1808.53 P101.1
VPOS_EST: P2.2 R303.1 R304.1 | length 445.5
  Top Layer w50: R303.1 R303.1@4194,3483.12 ; R304.1 R303.1@4194,3483.12 ; P2.2 4331.88,3483.12 R303.1@4194,3483.12
VPOS_EST_A: C500.1 P2.1 R503.1 TP500.1 U500.8 | length 2148.4
  Top Layer w25: P2.1 4565,3280 4755.12,3089.88 R503.1 ; TP500.1 4920,2129 R503.1 ; U500.8 4919.14,1620.86 4840,1700 4840,1833.12 C500.1 4756.12,2128 R503.1
VPOS_EST_D: C403.1 P2.3 R407.2 U401.8 | length 2178.8
  Top Layer w25: P2.3 4435,3610 4620,3795 5430,3795 5500,3865 5500,4140 5545,4185 5634.88,4185 5639.88,4180 R407.2 5645.88,4186 5645.88,4386.99 C403.1 5646.88,4588.82 5645.7,4590 U401.8
VPOS_EST_DAC: J400.6 R410.1 | length 548.7
  Top Layer w25: R410.1 5039.88,5344.88 5231.13,5536.13 5303.96,5536.13 J400.6
VPOS_REF: R2.2 R2.3 R3.2 R413.1 U300.9 | length 5784.1
  Top Layer w20: U300.9 4051,3759 4110,3700 v1(4260,3700) 4349.96,3610.04 v1(4395.86,3610.04) ; v1(4492.5,3610) 4495,3610 4645,3760 5660,3760 5830,3930 5830,4269.88 5960,4399.88 5960,4409.88 5975,4424.88 R413.1
  Top Layer w50: R3.2 3106,5710.12 3197.58,5801.7 R2.3 R2.2
  Bottom Layer w20: R2.2 3995,4440 4260,4175 v1(4260,3700) ; v1(4395.86,3610.04) v1(4492.5,3610)
VPOS_REF_ADC: C408.1 D402.2 J400.9 R411.2 U401.14 | length 1457.7
  Top Layer w25: U401.14 5770.12,4890 5860,4800.12 R411.2 R411.2@5880,4800.12 ; J400.9 5705,5540 5890,5355 D402.2 5890,5118.5 5970,5038.5 5970,4890.12 R411.2@5880,4800.12 ; C408.1 R411.2@5880,4800.12
VPST: D501.2 R500.1 R501.2 R502.1 | length 589.8
  Top Layer w25: R500.1 4643.65,1719.11 R502.1 4646.76,1519.88 R501.2 4644.88,1348.57 D501.2
VSW: P101.2 U101.1 | length 514
  Top Layer w10: U101.1 3858.47,1393.47 3859,1394
  Top Layer w25: 3859,1394 3914,1449 P101.2
pads on no net: P102.1 R2.GND U101.2 U101.6 U301.12 U301.13 U301.14 U400.1 U400.2 U400.3 U400.8 U400.9 U400.10 U400.12 U400.13 U400.14 U501.5 U501.6 U501.7 U501.8 U501.9 U501.10 U501.12 U501.13 U501.14

## Polygon pours and split planes (outlines as drawn)
GND on Top Layer "GND_L01_P016" (solid, pour order 16): 0,5900 5,5905 6300,5905 6300,-5 0,-5
GND on Top Layer "GND_L01_P007" (solid, pour order 7): 332,756 332,11 2305,11 2305,756 2300,761 1965,761 1965,293 1885,165 832,165 832,756
AHS on Top Layer "AHS_L01_P006" (solid, pour order 6): 2252,2492 2252,2309 2398,2163 2398,1355 1981.66,1355 1744,1090.31 1744,1714 1967,1937 1967,2493
AHS on Top Layer "AHS_L01_P004" (solid, pour order 4): 1288.97,176 1290.83,646.5 1981.66,1355 2398,1355 2398,778 1875.95,778 1773,672.41 1773,176
AHS2 on Top Layer "AHS2_L01_P003" (solid, pour order 3): 1260,1553.77 1608.85,1552.85 1731,1552.53 1731,1116 1289,674 1289,177 833,177 833,749 1260,1176
BHS on Top Layer "BHS_L01_P002" (solid, pour order 2): 301,2491 301,2490 301,2204 287,2190 287,1654 224,1591 224,771 820,771 1214,1165 1214,1577 582,2496 301,2496
+24V on Top Layer "Top Layer-No Net" (solid, remove dead copper, pour order 10): 800,5800 1240,5800 1240,5080 1140,4980 1140,3120 1660,2940 2280,2940 2280,2500 220,2500 220,2920 480,3180 480,3200 480,4900 640,5060 800,5220 800,5360
GND on Bottom Layer "GND_L02_P015" (solid, pour order 15): 0,5905 5,5910 6300,5910 6300,0 0,0

## Keep-outs
Keep-Out Layer:
  the board outline again, w30

## Text inside footprints (layer, text, board x,y; h text height)
J400: Top Overlay "1" at 5243.46,5292.17 h59.06; Top Overlay "5" at 5669.84,5292.17 h59.06; Top Overlay "9" at 5615.32,5662.24 h59.06; Top Overlay "6" at 5288.15,5662.24 h59.06; Mechanical 29 "6" at 5288.15,5662.24 h59.06; Mechanical 29 "9" at 5615.32,5662.24 h59.06; Mechanical 29 "5" at 5669.84,5292.17 h59.06; Mechanical 29 "1" at 5243.46,5292.17 h59.06